# Altium PCB 控制盒基板.PcbDoc (part 2 of 8) (continued)
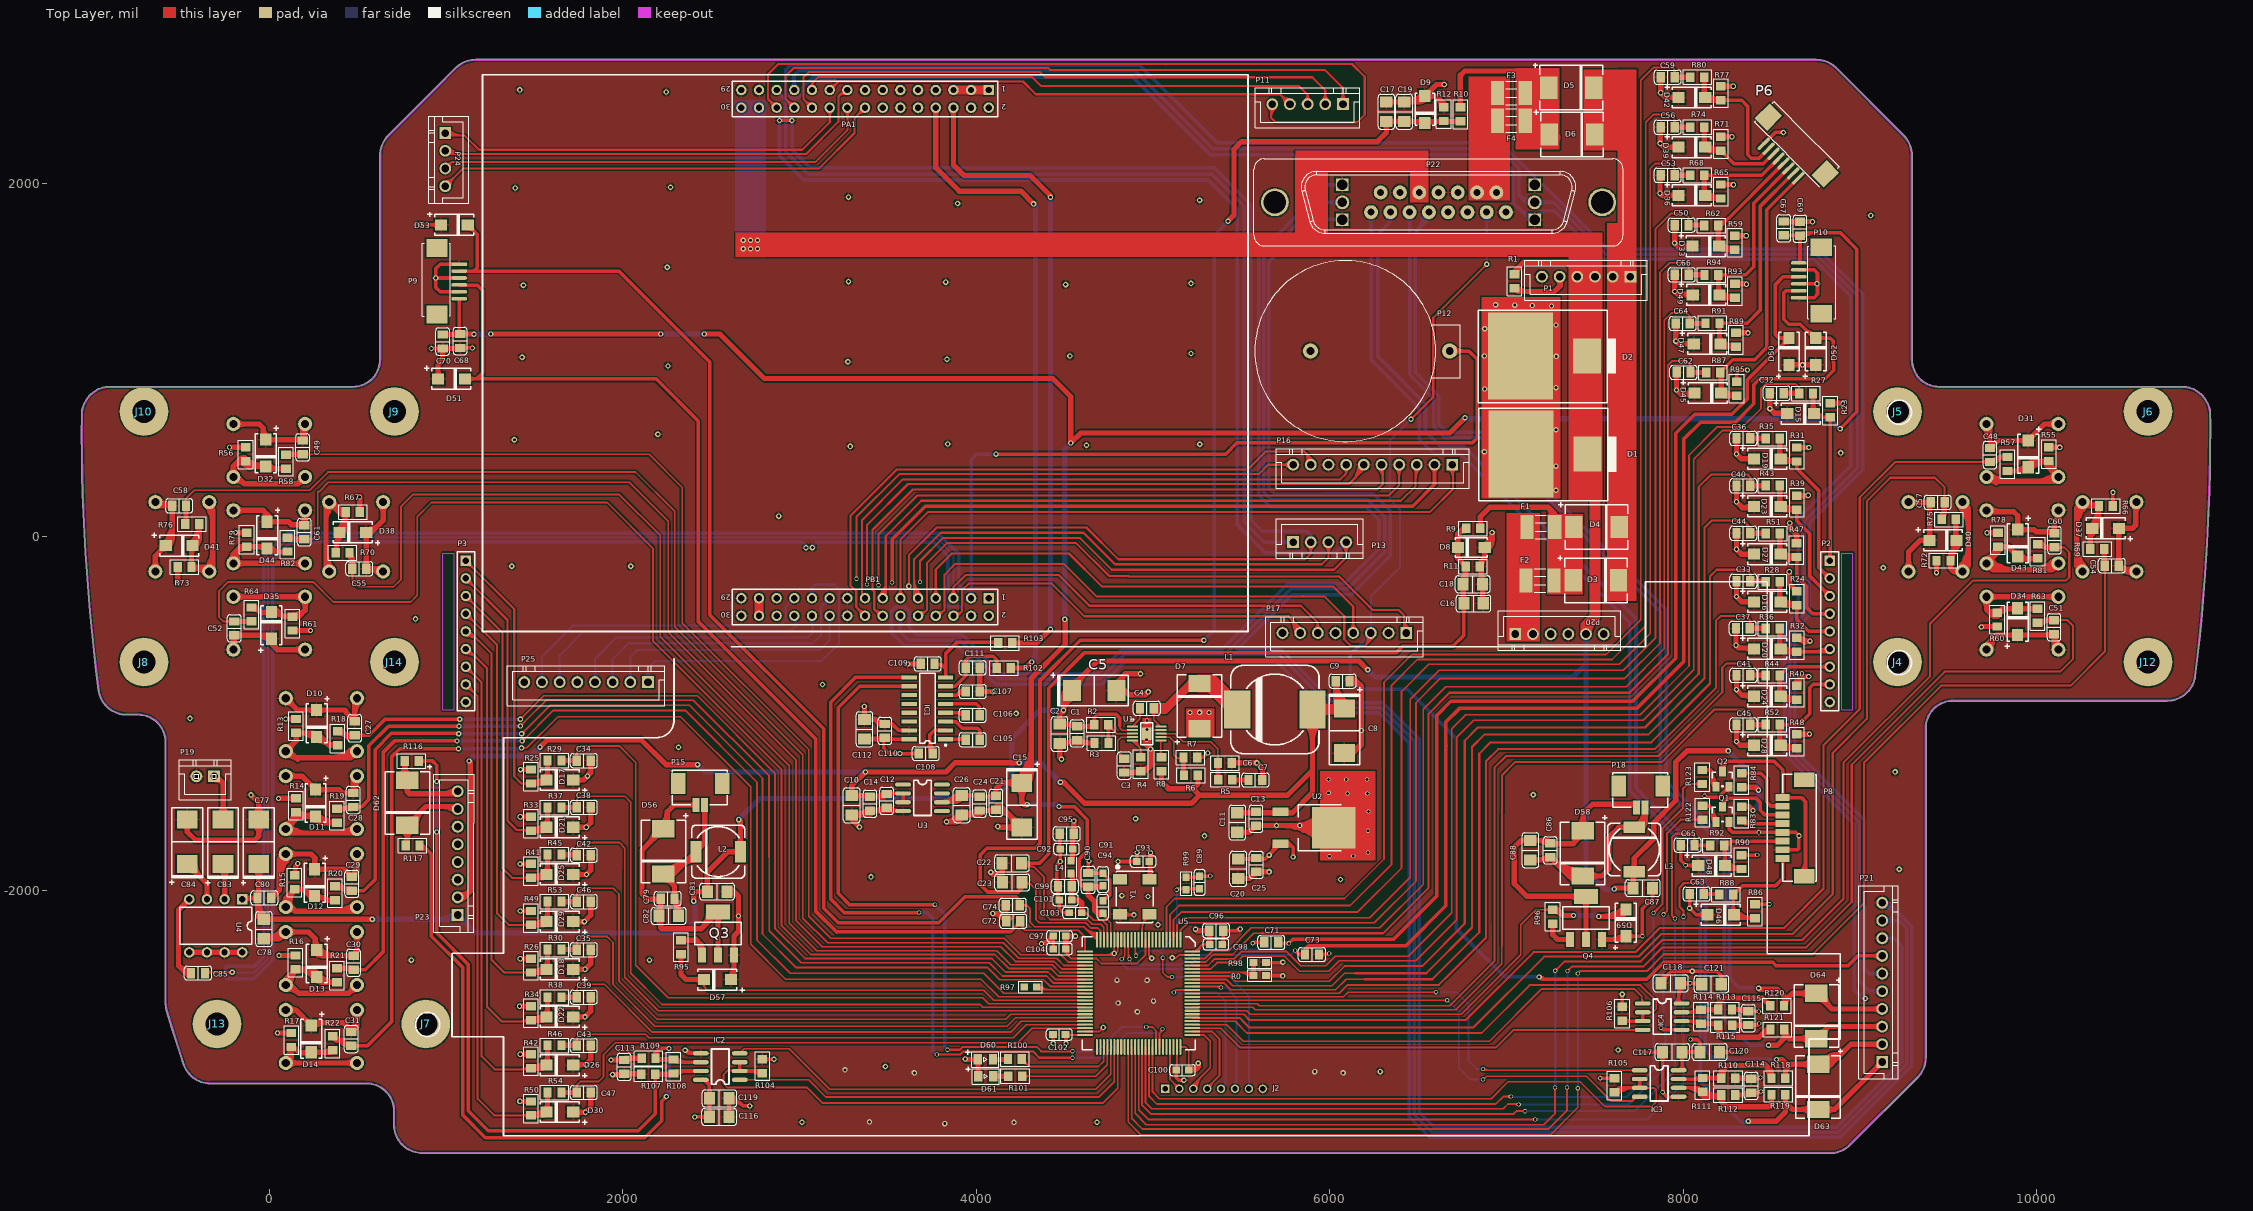
[diagram p0: Top Layer view]
## Nets (pads, with @x,y where several pads share a name; then routed paths per layer and width w, separated by ;. In a path a pad name is that pad's centre, name@x,y a point inside that pad or via, vN(x,y) a via of type N, cw(c..) or ccw(c..) an arc to the next point about the centre after c; other vN are vias at no path point) (continued)
+PWR_S: C1.2 C2.2 C5.1 C77.1 C78.2 C80.2 C81.2 C87.2 D1.2 D2.2 L2.2 L3.2 P1.3 P1.4 P20.5 P22.5 P23.1 PA1.28 PA1.30 R1.1 R2.1 R83.1 R84.1 U1.2 U4.1 | length 20140.9
  Top Layer w8: 4812,-1069 4812,-1080 4825.31,-1093.31 U1.2@4883.29,-1093.31
  Top Layer w20: R2.1@4667.63,-1063 4667.63,-1020.37 4684,-1004 4791,-1004 4812,-1025 4812,-1069 ; 4667.63,-1026.18 ccw(c4700.51,-1026.18) 4677.26,-1049.43 cw(c4700.51,-1026.18) 4667.63,-1026.18 ; 4667.63,-1026.18 cw(c4634.74,-1026.18) 4658,-1049.43 ccw(c4634.74,-1026.18) 4667.63,-1026.18
  Top Layer w30: U4.1@-152.5,-2050.98 -144.51,-2043 C80.2@-66.37,-2043 ; C77.1@-59,-1850.98 -59,-2035.63 C80.2@-66.37,-2043 ; -56.64,-2092.69 cw(c-127.55,-2133.64) C78.2@-49.63,-2158.81 ; v1@585,-2166 v1(582.88,-2163.88) C78.2@-30,-2163.88 -66.37,-2127.51 C80.2@-66.37,-2043 ; v1(2402,-2061) 2402,-2022 2417,-2007 C81.2@2478.88,-2007 2478.88,-1897.12 2595,-1781 L2.2@2665.98,-1781 2665.98,-1609.98 v1(2656,-1600) ; C5.1@4494,-919 v1(4494,-981) 4472,-1003 C2.2@4472,-1059.88 4558.25,-1059.88 C1.2@4571,-1072.63 4658,-1072.63 R2.1@4667.63,-1063 ; C5.1@4512,-869 C5.1@4541.02,-869 ; C5.1@4530.01,-857.99 4686,-702 6165,-702 v1(6215,-752) ; 4534.32,-1064.48 ccw(c4548.17,-1040.49) C1.2@4561.08,-1065 ; C5.1@4539.04,-855.27 ccw(c4511.53,-773.74) 4594.64,-796.01 ; R1.1@7045.63,1492.84 ccw(c7021,1535.49) 7068.57,1522.74 ; R1.1@7046,1485.37 7046,1502 7098,1554 7341,1554 7404,1491 P1.4@7404,1467 ; v1@7615,-1987 C87.2@7716.88,-1987 7716.88,-1901.1 L3.2@7723,-1894.98 7723,-1817 7834,-1706 7834,-1616 7958,-1492 7958,-1275 8022,-1211 v1(8255,-1211) ; R83.1@8331,-1526.63 8373.63,-1526.63 v1(8395,-1548) ; R84.1@8331,-1416.37 8409.37,-1416.37 v1(8426,-1433) ; -59,-1938.33 ccw(c-146.35,-1938.33) -84.58,-1876.57 cw(c-146.35,-1938.33) -59,-1938.33 ; -59,-1938.33 cw(c28.35,-1938.33) -33.42,-1876.57 ccw(c28.35,-1938.33) -59,-1938.33 ; 13.76,-2163.88 ccw(c13.76,-2203.71) -14.4,-2175.55 cw(c13.76,-2203.71) 13.76,-2163.88 ; 13.76,-2163.88 cw(c13.76,-2124.06) -14.4,-2152.22 ccw(c13.76,-2124.06) 13.76,-2163.88 ; 2439.06,-2007 ccw(c2439.06,-1967.18) 2467.22,-1995.34 cw(c2439.06,-1967.18) 2439.06,-2007 ; 2439.06,-2007 cw(c2439.06,-2046.83) 2467.22,-2018.66 ccw(c2439.06,-2046.83) 2439.06,-2007 ; 2478.88,-1963.24 ccw(c2518.71,-1963.24) 2490.55,-1991.4 cw(c2518.71,-1963.24) 2478.88,-1963.24 ; 2478.88,-1963.24 cw(c2439.06,-1963.24) 2467.22,-1991.4 ccw(c2439.06,-1963.24) 2478.88,-1963.24 ; 2626.16,-1781 ccw(c2626.16,-1741.18) 2654.32,-1769.34 cw(c2626.16,-1741.18) 2626.16,-1781 ; 2626.16,-1781 cw(c2626.16,-1820.83) 2654.32,-1792.66 ccw(c2626.16,-1820.83) 2626.16,-1781 ; v1(2656,-1600) cw(c2631.9,-1624.1) 2665.98,-1624.1 ccw(c2631.9,-1624.1) v1(2656,-1600) ; 2665.98,-1711.65 ccw(c2705.81,-1711.65) 2677.65,-1739.81 cw(c2705.81,-1711.65) 2665.98,-1711.65 ; 2665.98,-1711.65 cw(c2626.16,-1711.65) 2654.32,-1739.81 ccw(c2626.16,-1711.65) 2665.98,-1711.65 ; 4472,-1020.06 ccw(c4511.83,-1020.06) 4483.67,-1048.22 cw(c4511.83,-1020.06) 4472,-1020.06 ; 4472,-1020.06 cw(c4432.18,-1020.06) 4460.34,-1048.22 ccw(c4432.18,-1020.06) 4472,-1020.06 ; 4515.76,-1059.88 ccw(c4515.76,-1099.71) 4487.6,-1071.55 cw(c4515.76,-1099.71) 4515.76,-1059.88 ; 4515.76,-1059.88 cw(c4515.76,-1020.06) 4487.6,-1048.22 ccw(c4515.76,-1020.06) 4515.76,-1059.88 ; 7677.06,-1987 ccw(c7677.06,-1947.18) 7705.22,-1975.34 cw(c7677.06,-1947.18) 7677.06,-1987 ; 7677.06,-1987 cw(c7677.06,-2026.83) 7705.22,-1998.66 ccw(c7677.06,-2026.83) 7677.06,-1987 ; 7716.88,-1943.24 ccw(c7756.71,-1943.24) 7728.55,-1971.4 cw(c7756.71,-1943.24) 7716.88,-1943.24 ; 7716.88,-1943.24 cw(c7677.06,-1943.24) 7705.22,-1971.4 ccw(c7677.06,-1943.24) 7716.88,-1943.24 ; 7723,-1855.16 ccw(c7762.83,-1855.16) 7734.67,-1883.32 cw(c7762.83,-1855.16) 7723,-1855.16 ; 7723,-1855.16 cw(c7683.18,-1855.16) 7711.34,-1883.32 ccw(c7683.18,-1855.16) 7723,-1855.16 ; v1(8426,-1433) ccw(c8385.85,-1473.15) 8385.85,-1416.37 cw(c8385.85,-1473.15) v1(8426,-1433) ; U4.1@-142.22,-2061.26 cw(c-98.15,-2105.33) -98.15,-2043 ccw(c-98.15,-2105.33) U4.1@-142.22,-2061.26 ; C80.2@-72.47,-2031 ccw(c-104.98,-1998.49) -59,-1998.49 cw(c-104.98,-1998.49) C80.2@-72.47,-2031 ; -66.37,-2118.18 ccw(c11.76,-2118.18) -43.49,-2173.43 cw(c11.76,-2118.18) -66.37,-2118.18 ; C80.2@-66.37,-2045.76 ccw(c84.19,-2045.76) -22.27,-2152.22 cw(c84.19,-2045.76) C80.2@-66.37,-2045.76 ; -64.88,-2129 cw(c-99.76,-2163.88) -50.43,-2163.88 ccw(c-99.76,-2163.88) -64.88,-2129 ; C78.2@-55.38,-2138.51 ccw(c-33.94,-2117.07) -33.94,-2147.39 cw(c-33.94,-2117.07) C78.2@-55.38,-2138.51 ; v1@4494,-991.12 cw(c4577.86,-991.12) 4552.12,-911.31 ccw(c4577.86,-991.12) v1@4494,-991.12 ; 4494,-949.92 cw(c4564.57,-949.92) 4542.91,-882.76 ccw(c4564.57,-949.92) 4494,-949.92 ; C5.1@4494,-908.73 cw(c4551.29,-908.73) 4533.71,-854.2 ccw(c4551.29,-908.73) C5.1@4494,-908.73 ; 4513.5,-1059.88 cw(c4513.5,-1124.22) 4559,-1078.73 ccw(c4513.5,-1124.22) 4513.5,-1059.88 ; C5.1@4541.02,-824.94 ccw(c4541.02,-771.74) 4578.64,-809.36 cw(c4541.02,-771.74) C5.1@4541.02,-824.94 ; C5.1@4577.2,-861.13 cw(c4698.69,-861.13) 4612.78,-775.22 ccw(c4698.69,-861.13) C5.1@4577.2,-861.13 ; 4633.07,-1072.63 ccw(c4633.07,-1032.38) 4661.53,-1060.84 cw(c4633.07,-1032.38) 4633.07,-1072.63 ; R1.1@7058.56,1485.37 cw(c7129.03,1485.37) 7079.2,1535.2 ccw(c7129.03,1485.37) R1.1@7058.56,1485.37 ; 7353.92,1541.08 cw(c7284.85,1472) 7382.54,1472 ccw(c7284.85,1472) 7353.92,1541.08 ; 7716.88,-1949.58 cw(c7777.6,-1949.58) 7734.67,-1906.65 ccw(c7777.6,-1949.58) 7716.88,-1949.58
  Top Layer w60: P20.5@7450,-550 7450,-501 7501,-450 7501,424.98 D1.2@7457.98,468 ; 7478.39,318.81 cw(c7545.33,357.46) D1.2@7491.76,413.18 ; D1.2@7423.52,413.85 cw(c7236.47,226.8) 7501,226.8 ccw(c7236.47,226.8) D1.2@7423.52,413.85 ; P20.5@7453.46,-550 cw(c7580.12,-550) 7490.56,-460.44 ccw(c7580.12,-550) P20.5@7453.46,-550 ; D1.2@7465.95,456.28 cw(c7381.32,371.65) 7501,371.65 ccw(c7381.32,371.65) D1.2@7465.95,456.28
  Bottom Layer w30: v1(582.88,-2163.88) 1042.12,-2163.88 P23.1@1066,-2140 1168,-2242 2344,-2242 2411,-2175 2411,-2070 v1(2402,-2061) ; 1005.33,-2154.44 cw(c1029.77,-2196.77) P23.1@1056.07,-2155.56 ; v1(2656,-1600) 2775,-1481 4102,-1481 4201,-1382 4201,-1140 4360,-981 v1(4494,-981) ; v1(6215,-752) 6256,-793 7376,-793 7450,-719 ; P20.5@7450,-550 7450,-719 ; v1@7607,-1995 7561,-1995 7450,-1884 7450,-719 ; v1(8255,-1211) 8426,-1382 v1(8426,-1433) 8426,-1517 v1(8395,-1548) ; P23.1@1097.52,-2171.52 ccw(c1066,-2203.04) 1066,-2158.46 cw(c1066,-2203.04) P23.1@1097.52,-2171.52 ; P23.1@1097.52,-2171.52 cw(c1129.04,-2140) 1084.47,-2140 ccw(c1129.04,-2140) P23.1@1097.52,-2171.52 ; v1(2402,-2061) cw(c2380.27,-2082.73) 2411,-2082.73 ccw(c2380.27,-2082.73) v1(2402,-2061) ; 7450,-594.58 ccw(c7405.42,-594.58) 7436.94,-563.06 cw(c7405.42,-594.58) 7450,-594.58 ; 7450,-594.58 cw(c7494.58,-594.58) 7463.06,-563.06 ccw(c7494.58,-594.58) 7450,-594.58 ; 963.77,-2163.88 ccw(c963.77,-2037.77) 1052.94,-2126.94 cw(c963.77,-2037.77) 963.77,-2163.88 ; P23.1@1036.19,-2163.88 ccw(c1036.19,-2110.19) 1074.16,-2148.16 cw(c1036.19,-2110.19) P23.1@1036.19,-2163.88
  other v1: 7610,-1992 2682,1630 2722.5,1630 2763,1630 2682,1678 2722.5,1678 2763,1678
A_LX: C71.1 D50.2 P10.4 U5.16 | length 8025.5
  Top Layer w10: U5.16@4859.94,-2279.85 4859.94,-2380.94 v2(4868,-2389) ; v2@4862.39,-2384.81 ccw(c4849.78,-2375.4) 4863.41,-2367.53 ; 4859.94,-2376.8 ccw(c4880.2,-2376.8) 4865.88,-2391.12 cw(c4880.2,-2376.8) 4859.94,-2376.8 ; 4859.94,-2352.65 ccw(c4904.35,-2352.65) 4872.95,-2384.05 cw(c4904.35,-2352.65) 4859.94,-2352.65
  Top Layer w20: C71.1@5709.37,-2295 5714.37,-2300 v2(5769,-2300) 5792,-2277 6361,-2277 6607,-2031 6607,-1009 6685,-931 7713,-931 7958,-686 7958,586 8065,693 8274.01,693 8363.5,782.5 8363.5,889.61 D50.2@8598.34,1124.45 8597.79,1125 8542,1125 8522,1145 8522,1428 8564.87,1470.87 P10.4@8654.01,1470.87 ; C71.1@5719,-2310.54 cw(c5744.44,-2335.98) 5744.44,-2300 ccw(c5744.44,-2335.98) C71.1@5719,-2310.54 ; C71.1@5719,-2291.27 ccw(c5740.07,-2270.21) 5740.07,-2300 cw(c5740.07,-2270.21) C71.1@5719,-2291.27 ; 8545.11,1125 cw(c8545.11,1071.22) 8583.14,1109.25 ccw(c8545.11,1071.22) 8545.11,1125 ; 8547.77,1125 ccw(c8547.77,1175.01) 8583.14,1139.65 cw(c8547.77,1175.01) 8547.77,1125 ; 8556.6,1082.71 cw(c8598.34,1040.98) 8598.34,1100 ccw(c8598.34,1040.98) 8556.6,1082.71 ; 8563.73,1089.84 ccw(c8532.08,1121.5) 8576.84,1121.5 cw(c8532.08,1121.5) 8563.73,1089.84
  Bottom Layer w12: v2@4862.11,-2387.85 ccw(c4879.81,-2391.31) 4867.06,-2404.06 ; v2@4862.99,-2385.69 ccw(c4873.54,-2392.66) 4864.6,-2401.6 ; v2@4863.76,-2393.24 cw(c4853.51,-2403.49) 4868,-2403.49 cw(c4882.49,-2403.49) v2@4872.24,-2393.24 ; v2(4868,-2389) 4868,-2405 4883,-2420 ; v2@4873.01,-2392.31 ccw(c4886.07,-2400.93) 4875,-2412 ; v2@4873.89,-2390.15 ccw(c4906.48,-2396.52) 4883,-2420 ; v2(5769,-2300) 5734,-2335 5248,-2335 5163,-2420 4883,-2420 ; 5758.76,-2310.24 ccw(c5748.51,-2300) 5763,-2300 cw(c5748.51,-2300) 5758.76,-2310.24 ; 5758.76,-2310.24 cw(c5769,-2320.49) 5769,-2306 ccw(c5769,-2320.49) 5758.76,-2310.24
A_LY: C73.1 D52.2 P10.2 U5.17 | length 8418.8
  Top Layer w10: v2(4823,-2389) 4840.26,-2371.74 U5.17@4840.26,-2279.85 ; v2@4823,-2382 ccw(c4823,-2365.1) 4834.95,-2377.05 ccw(c4846.9,-2389) v2@4830,-2389
  Top Layer w20: v2(5805,-2341) 5827,-2363 C73.1@5860.63,-2363 5866,-2357.63 5866,-2328 ; 6658,-1181 6657,-1180 ; P10.2@8654.01,1392.13 8580.13,1392.13 8568,1380 8568,1231 8597,1202 8662,1202 8739.55,1124.45 D52.2@8750.34,1124.45 8832.55,1124.45 8849,1108 8849,992 8852,989 8852,943 8803,894 8434,894 8400,860 8400,753 8296,649 8099,649 8002,552 8002,-706 7737,-971 6734,-971 6657,-1048 6657,-1180 ; 8712.18,1159.12 cw(c8697.88,1105.75) D52.2@8748.96,1126.83 ; 5827.74,-2363 ccw(c5827.74,-2330.11) 5851,-2353.37 cw(c5827.74,-2330.11) 5827.74,-2363 ; 5827.74,-2363 cw(c5827.74,-2395.89) 5851,-2372.63 ccw(c5827.74,-2395.89) 5827.74,-2363 ; 5866,-2328 cw(c5847.84,-2328) 5855.15,-2344.62 ccw(c5847.84,-2328) 5866,-2328 ; 5866,-2328 5881,-2313 ; 5881,-2313 ccw(c5906.28,-2338.28) 5873.22,-2351.9 cw(c5906.28,-2338.28) 5881,-2313 ; 5881,-2313 6432,-2313 6657,-2088 6657,-1180 ; 8802.23,1124.45 ccw(c8802.23,1072.55) 8765.54,1109.25 cw(c8802.23,1072.55) 8802.23,1124.45 ; 8802.23,1124.45 cw(c8802.23,1176.34) 8765.54,1139.65 ccw(c8802.23,1176.34) 8802.23,1124.45 ; 8690.19,1173.81 ccw(c8750.34,1233.96) 8750.34,1148.9 cw(c8750.34,1233.96) 8690.19,1173.81
  Bottom Layer w12: v2@4818.76,-2393.24 cw(c4808.51,-2403.49) 4823,-2403.49 cw(c4837.49,-2403.49) v2@4827.24,-2393.24 ; v2(4823,-2389) 4823,-2413 4855,-2445 5190,-2445 5269,-2366 5780,-2366 v2(5805,-2341) ; v2@5799,-2341 cw(c5784.51,-2341) 5794.76,-2351.24 cw(c5805,-2361.49) v2@5805,-2347
A_RX: C72.1 D51.2 P9.4 U5.26 | length 7240.5
  Top Layer w10: C72.1@4249.37,-2175 4264,-2189.63 4264,-2216 4274.31,-2226.31 4576.31,-2226.31 4615.85,-2265.85 U5.26@4615.85,-2346.78 ; C72.1@4246.89,-2199.36 cw(c4244.26,-2218.93) 4264,-2218.93 ccw(c4244.26,-2218.93) C72.1@4246.89,-2199.36 ; C72.1@4248.22,-2189.45 cw(c4245.8,-2207.49) 4264,-2207.49 ccw(c4245.8,-2207.49) C72.1@4248.22,-2189.45
  Top Layer w20: P9.4@1074.99,1425.13 1076.13,1424 1178,1424 1208,1394 1208,929 1173,894 ; D51.2@1106.79,894 1173,894 ; C72.1@4249.37,-2175.63 C72.1@4249.37,-2175 4249.37,-2178.68 4192.53,-2235.53 3214.47,-2235.53 3212,-2238 3091,-2117 3091,-1142 2428,-479 2428,655 2189,894 1173,894 ; 1161.64,894 ccw(c1161.64,842.1) 1124.94,878.8 cw(c1161.64,842.1) 1161.64,894 ; 1161.64,894 cw(c1161.64,945.9) 1124.94,909.2 ccw(c1161.64,945.9) 1161.64,894 ; 4222.32,-2205.73 cw(c4249.37,-2232.78) 4249.37,-2194.53 ccw(c4249.37,-2232.78) 4222.32,-2205.73 ; C72.1@4227.69,-2200.37 ccw(c4208.23,-2180.91) 4235.75,-2180.91 cw(c4208.23,-2180.91) C72.1@4227.69,-2200.37
A_RY: C74.1 D53.2 P9.2 U5.25 | length 7611.2
  Top Layer w10: C74.1@4246.37,-2085 4285,-2085 ; 4614.5,-2211.57 ccw(c4682.78,-2143.28) U5.25@4682.78,-2239.85 ; 4631.57,-2228.64 ccw(c4682.78,-2177.42) U5.25@4682.78,-2249.85 ; 4648.64,-2245.71 ccw(c4682.78,-2211.57) U5.25@4682.78,-2259.85 ; 4665.71,-2262.78 ccw(c4682.78,-2245.71) U5.25@4682.78,-2269.85 ; U5.25@4682.78,-2279.85 4608.93,-2206 4330,-2206 4305,-2181 4305,-2105 4285,-2085 ; 4285,-2085 ccw(c4285,-2115.75) 4260.94,-2096.6 cw(c4285,-2115.75) 4285,-2085 ; 4285,-2085 cw(c4285,-2054.25) 4260.94,-2073.4 ccw(c4285,-2054.25) 4285,-2085
  Top Layer w20: P9.2@1074.99,1503.87 1157.87,1503.87 ; D53.2@1122.79,1765 1176,1711.79 1176,1522 1157.87,1503.87 ; C74.1@4233.85,-2073.74 ccw(c4203.54,-2060.78) 4226.84,-2037.47 ; 4244.26,-2054.89 cw(c4223.24,-2075.91) C74.1@4252.69,-2079.96 ; C74.1@4246.37,-2085 4246.37,-2057 4226.84,-2037.47 ; 1157.87,1503.87 1978.13,1503.87 2493,989 2493,-442 3137,-1086 3137,-2102 3219,-2184 3789,-2184 3935.53,-2037.47 4226.84,-2037.47 ; D53.2@1125.74,1743.5 cw(c1125.74,1698.74) 1157.39,1730.39 ccw(c1125.74,1698.74) D53.2@1125.74,1743.5 ; D53.2@1147.24,1765 ccw(c1206.26,1765) 1164.52,1723.26 cw(c1206.26,1765) D53.2@1147.24,1765
AUDIO_OUT_L: C85.1 P17.6 PB1.5 | length 10048.4
  Top Layer w12: C85.1@-363.63,-2468 -359.63,-2464 v1(-209,-2464) ; PB1.5@3871,-347 3871,-286 3942,-215 4466,-215 4641,-390 5837,-390 5931,-484 ; P17.6@5933,-544 5931,-542 5931,-484 ; -230.73,-2464 ccw(c-230.73,-2442.27) -215.36,-2457.64 cw(c-230.73,-2442.27) -230.73,-2464 ; -230.73,-2464 cw(c-230.73,-2485.73) -215.36,-2470.36 ccw(c-230.73,-2485.73) -230.73,-2464 ; 3871,-290.2 ccw(c3927.8,-290.2) 3887.64,-330.36 cw(c3927.8,-290.2) 3871,-290.2 ; 3871,-290.2 cw(c3814.2,-290.2) 3854.36,-330.36 ccw(c3814.2,-290.2) 3871,-290.2 ; 5931,-484 ccw(c5979.35,-484) 5949.79,-522.27 cw(c5979.35,-484) 5931,-484 ; 5931,-484 cw(c5875.06,-484) 5913.92,-524.24 ccw(c5875.06,-484) 5931,-484 ; C85.1@-351.17,-2474.56 cw(c-325.69,-2500.04) -325.69,-2464 ccw(c-325.69,-2500.04) C85.1@-351.17,-2474.56 ; C85.1@-351.17,-2449.63 ccw(c-316.49,-2414.95) -316.49,-2464 cw(c-316.49,-2414.95) C85.1@-351.17,-2449.63 ; 5931,-508.44 ccw(c5960.47,-508.44) 5942.45,-531.76 cw(c5960.47,-508.44) 5931,-508.44
  Bottom Layer w12: v1(-209,-2464) -85,-2464 -6,-2385 -6,-124 115,-3 3773,-3 3871,-101 PB1.5@3871,-347 ; -187.27,-2464 ccw(c-187.27,-2485.73) -202.64,-2470.36 cw(c-187.27,-2485.73) -187.27,-2464 ; -187.27,-2464 cw(c-187.27,-2442.27) -202.64,-2457.64 ccw(c-187.27,-2442.27) -187.27,-2464 ; 3871,-290.2 ccw(c3927.8,-290.2) 3887.64,-330.36 cw(c3927.8,-290.2) 3871,-290.2 ; 3871,-290.2 cw(c3814.2,-290.2) 3854.36,-330.36 ccw(c3814.2,-290.2) 3871,-290.2
AUDIO_OUT_R: P17.7 PB1.6 | length 3272
  Top Layer w12: PB1.6@3871,-447 3895,-447 3919,-423 ; 5764.9,-445.9 cw(c5666.8,-544) P17.7@5805.53,-544 ; 5768.01,-449.01 cw(c5677.26,-539.75) P17.7@5805.55,-543.25 ; 5785.39,-466.39 cw(c5707.77,-544) P17.7@5817.53,-544 ; 5787.73,-468.73 cw(c5715.65,-540.8) P17.7@5817.54,-543.58 ; 5789.9,-483.76 ccw(c5878.08,-460.87) P17.7@5834.65,-540.95 ; 5796.83,-510.48 ccw(c5860.07,-494.07) P17.7@5828.93,-551.5 ; 5802.48,-487.83 ccw(c5863.6,-471.45) P17.7@5839.01,-529.75 ; 5805.87,-486.87 cw(c5748.74,-544) P17.7@5829.53,-544 ; 5807.45,-488.45 cw(c5754.05,-541.85) P17.7@5829.54,-543.91 ; 5808.83,-511.53 ccw(c5851.52,-500.09) P17.7@5834.35,-540.81 ; P17.7@5809.21,-530.27 ccw(c5795.96,-522.61) 5810.74,-518.65 ; P17.7@5811.32,-527.14 ccw(c5784.97,-506.65) 5817.21,-498.01 ccw(c5842.45,-491.24) P17.7@5837.84,-516.97 ; 5826.36,-507.36 cw(c5789.71,-544) P17.7@5841.53,-544 ; 5827.17,-508.17 cw(c5792.44,-542.89) P17.7@5841.53,-544.23 ; P17.7@5833,-544 5833,-514 5768,-449 5181,-449 5172,-449 4612,-449 4428,-265 3957,-265 3919,-303 3919,-423 ; 3919,-423 cw(c3898.69,-402.69) 3883.47,-427.05 ccw(c3898.69,-402.69) 3919,-423 ; PB1.6@3877.11,-437.22 ccw(c3890.49,-415.82) 3908.33,-433.67 cw(c3890.49,-415.82) PB1.6@3877.11,-437.22
AUX: P11.5 PA1.26 | length 5044.5
  Top Layer w12: 2839.73,2456.9 ccw(c2879.08,2467.45) PA1.26@2870.91,2427.54 ; 2842.1,2459.27 cw(c2831.55,2419.92) PA1.26@2871.46,2428.09 ; PA1.26@2871,2428 2822,2477 2822,2618 2879,2675 5072,2675 ; 5073,2674 5072,2675 ; P11.5@5675,2448 5668,2441 5668,2371 5693,2346 6155,2346 6198,2389 6198,2603 6126,2675 5072,2675 ; 2830.84,2468.16 ccw(c2871,2508.33) 2871,2451.53 cw(c2871,2508.33) 2830.84,2468.16 ; 2830.84,2468.16 cw(c2790.67,2428) 2847.47,2428 ccw(c2790.67,2428) 2830.84,2468.16 ; P11.5@5655.58,2428.58 cw(c5625.6,2398.6) 5668,2398.6 ccw(c5625.6,2398.6) P11.5@5655.58,2428.58 ; 5668,2370.69 cw(c5744.48,2370.69) 5693.36,2427.57 ccw(c5744.48,2370.69) 5668,2370.69 ; 5668,2397.6 cw(c5720.29,2397.6) 5685.34,2436.5 ccw(c5720.29,2397.6) 5668,2397.6
BAT1_ADC: C16.2 C18.2 C22.2 D8.2 R9.2 R11.1 U5.23 | length 6534.3
  Top Layer w10: C22.2@4238,-1866 4326,-1866 ; 4552,-2166 4553,-2165 ; U5.23@4722.15,-2279.85 4722.15,-2209.15 4705,-2192 4656,-2192 4629,-2165 4553,-2165 ; 4326,-1866 cw(c4326,-1814.64) 4280.56,-1838.58 ccw(c4326,-1814.64) 4326,-1866 ; 4326,-1866 4383,-1923 4383,-2130 4418,-2165 4553,-2165 ; C22.2@4262.86,-1847.91 ccw(c4292.85,-1832.11) 4292.85,-1866 cw(c4292.85,-1832.11) C22.2@4262.86,-1847.91 ; C22.2@4271.71,-1843.25 ccw(c4309.42,-1823.37) 4309.42,-1866 cw(c4309.42,-1823.37) C22.2@4271.71,-1843.25
  Top Layer w20: C22.2@4257.12,-1847 4358,-1847 4411,-1794 4411,-856 4610,-657 6375,-657 6412,-620 6697,-620 6758.88,-558.12 C16.2@6758.88,-377 ; 4309.01,-1847 ccw(c4309.01,-1898.9) 4272.32,-1862.2 cw(c4309.01,-1898.9) 4309.01,-1847 ; 4309.01,-1847 cw(c4309.01,-1795.1) 4272.32,-1831.8 ccw(c4309.01,-1795.1) 4309.01,-1847 ; 6758.88,-432.83 ccw(c6706.99,-432.83) 6743.68,-396.14 cw(c6706.99,-432.83) 6758.88,-432.83 ; 6758.88,-432.83 cw(c6810.78,-432.83) 6774.08,-396.14 ccw(c6810.78,-432.83) 6758.88,-432.83
  Top Layer w30: 6722.8,14.8 cw(c6772.63,-35.03) R9.2@6772.63,35.44 ; 6735.26,25.43 ccw(c6722.51,73) R9.2@6765.16,48.37 ; C16.2@6758.88,-377 6754.88,-373 C18.2@6754.88,-268 6770.63,-252.25 R11.1@6770.63,-168 6725.21,-122.58 6725.21,17.21 ; 6762.84,-218.41 ccw(c6787.88,-232.87) C18.2@6766.87,-252.73 ; R11.1@6763.16,-176.25 cw(c6734.21,-192.97) 6766.5,-201.62 ; R9.2@6772.24,35.45 ccw(c6769.4,-26.97) 6725.21,17.21 ; R9.2@6772.63,48 6756,48 6725.21,17.21 ; 6725.21,-99.82 ccw(c6685.39,-99.82) 6713.55,-71.66 cw(c6685.39,-99.82) 6725.21,-99.82 ; 6725.21,-99.82 cw(c6765.04,-99.82) 6736.88,-71.66 ccw(c6765.04,-99.82) 6725.21,-99.82 ; 6725.21,-20.17 ccw(c6765.04,-20.17) 6736.88,-48.33 cw(c6765.04,-20.17) 6725.21,-20.17 ; 6725.21,-20.17 cw(c6685.39,-20.17) 6713.55,-48.33 ccw(c6685.39,-20.17) 6725.21,-20.17 ; 6754.88,-311.76 ccw(c6715.06,-311.76) 6743.22,-283.6 cw(c6715.06,-311.76) 6754.88,-311.76 ; 6754.88,-311.76 cw(c6794.71,-311.76) 6766.55,-283.6 ccw(c6794.71,-311.76) 6754.88,-311.76 ; C18.2@6743.22,-252.4 ccw(c6677.04,-186.22) 6770.63,-186.22 cw(c6677.04,-186.22) C18.2@6743.22,-252.4 ; R11.1@6749.19,-146.56 ccw(c6770.63,-125.12) 6770.63,-155.44 cw(c6770.63,-125.12) R11.1@6749.19,-146.56 ; 6754.88,-323.58 ccw(c6808.36,-323.58) 6770.55,-361.4 cw(c6808.36,-323.58) 6754.88,-323.58
BAT1_FIN: D3.1 D4.1 F1.2 F2.2 R9.1 | length 900.6
  Top Layer w30: R9.1@6851.37,48 6851.37,111.37 6908,168 7235,168 ; F1.2@7252.47,94.52 ccw(c7184.08,117.08) 7235,168 ; 7260.63,142.37 cw(c7210.23,91.98) F1.2@7281.32,86.96 ; 7269.44,133.56 cw(c7235.88,99.99) F1.2@7280.96,85.12 ; F1.2@7273.74,56 7273.74,129.26 ; 7235,168 7273.74,129.26 ; 7273.74,129.26 ccw(c7301.47,129.26) 7286.13,106.16 cw(c7301.47,129.26) 7273.74,129.26 ; 7273.74,129.26 cw(c7246.02,129.26) 7261.35,106.16 ccw(c7246.02,129.26) 7273.74,129.26
BAT1_IN: F1.1 F2.1 P20.1 P20.2
BAT2_ADC: C17.2 C19.2 C23.2 D9.2 R10.2 R12.1 U5.24 | length 8703.2
  Top Layer w10: C23.2@4259.12,-1955 4265.12,-1961 4303,-1961 ; U5.24@4702.46,-2279.85 4702.46,-2227.46 4688,-2213 4649,-2213 4620,-2184 4356,-2184 4338,-2166 4338,-1996 4303,-1961 ; 4303,-1961 ccw(c4303,-1986.12) 4281.64,-1972.89 cw(c4303,-1986.12) 4303,-1961 ; 4303,-1961 cw(c4303,-1939.51) 4283.35,-1948.21 ccw(c4303,-1939.51) 4303,-1961
  Top Layer w20: C23.2@4241.28,-1970.92 cw(c4215.98,-1987.92) 4237.53,-2009.47 ; 4254.72,-1992.28 ccw(c4236.54,-1974.11) C23.2@4257.88,-1959.77 ; C23.2@4259.12,-1955 4259.12,-1987.88 4237.53,-2009.47 ; v1@5288,-586 4588,-586 4361,-813 4361,-1735 4334,-1762 4060,-1762 4024,-1798 4024,-1969 4064.47,-2009.47 4237.53,-2009.47
  Top Layer w30: v1(5425,1786) 5459,1820 5459,2193 5502,2236 6269,2236 6321,2288 C17.2@6321,2350.07 6740.03,2350.07 R10.2@6742,2348.1 ; 6321,2310.25 ccw(c6281.18,2310.25) 6309.34,2338.41 cw(c6281.18,2310.25) 6321,2310.25 ; 6321,2310.25 cw(c6360.83,2310.25) 6332.67,2338.41 ccw(c6360.83,2310.25) 6321,2310.25 ; 6364.76,2350.07 ccw(c6364.76,2310.25) 6336.6,2338.41 cw(c6364.76,2310.25) 6364.76,2350.07 ; 6364.76,2350.07 cw(c6364.76,2389.9) 6336.6,2361.74 ccw(c6364.76,2389.9) 6364.76,2350.07 ; 6378.24,2350.07 ccw(c6378.24,2389.9) 6406.4,2361.74 cw(c6378.24,2389.9) 6378.24,2350.07 ; 6378.24,2350.07 cw(c6378.24,2310.25) 6406.4,2338.41 ccw(c6378.24,2310.25) 6378.24,2350.07 ; 6465.76,2350.07 ccw(c6465.76,2310.25) 6437.6,2338.41 cw(c6465.76,2310.25) 6465.76,2350.07 ; 6465.76,2350.07 cw(c6465.76,2389.9) 6437.6,2361.74 ccw(c6465.76,2389.9) 6465.76,2350.07 ; 6486.33,2350.07 cw(c6486.33,2293.5) 6526.34,2333.5 ccw(c6486.33,2293.5) 6486.33,2350.07 ; D9.2@6549.67,2333.5 cw(c6589.67,2293.5) 6589.67,2350.07 ccw(c6589.67,2293.5) D9.2@6549.67,2333.5 ; 6614.07,2350.07 ccw(c6614.07,2379.62) 6634.97,2358.73 cw(c6614.07,2379.62) 6614.07,2350.07 ; R12.1@6655.03,2358.73 ccw(c6675.93,2379.62) 6675.93,2350.07 cw(c6675.93,2379.62) R12.1@6655.03,2358.73 ; 6711.49,2350.07 ccw(c6711.49,2376.21) 6729.97,2357.73 cw(c6711.49,2376.21) 6711.49,2350.07
  Bottom Layer w20: v1(5288,-585) 5346,-527 5346,1707 v1(5425,1786)
BAT2_FIN: D5.1 D6.1 F3.2 F4.2 R10.1 | length 2351.5
  Top Layer w30: R10.1@6740,2430.37 6739,2431.37 6739,2611 6764,2636 7070,2636 7106.74,2599.26 F3.2@7106.74,2511 ; 7106.74,2596.58 ccw(c7160.82,2596.58) 7122.58,2558.34 cw(c7160.82,2596.58) 7106.74,2596.58 ; 7106.74,2596.58 cw(c7052.66,2596.58) 7090.9,2558.34 ccw(c7052.66,2596.58) 7106.74,2596.58
  Top Layer w50: F4.2@7106.74,2355 F3.2@7106.74,2511
  Top Layer w80: F4.2@7105.59,2325.83 cw(c7149.19,2237.35) D6.1@7218.95,2307.1 ; F4.2@7106.29,2326.06 cw(c7133.35,2173.31) 7243.04,2283 7171.05,2355 ; F4.2@7106.74,2326.1 cw(c7106.74,2101.09) D6.1@7265.85,2260.2 ; F3.2@7106.74,2511 7200.05,2511 D5.1@7239.05,2550 ; 7155.92,2511 ccw(c7155.92,2619.35) D5.1@7232.53,2542.73 ; 7177.65,2511 ccw(c7177.65,2588.62) D5.1@7232.53,2533.73 ; 7184.71,2307.04 ccw(c7221.58,2370.91) D6.1@7240.66,2299.68 ; D6.1@7233.85,2296.18 ccw(c7171.05,2292.06) 7171.05,2355 ; D6.1@7235.35,2285.71 ccw(c7106.75,2201) F4.2@7106.74,2355 ; D6.1@7235.72,2291.19 ccw(c7106.75,2192.75) F4.2@7106.74,2355 ; F4.2@7106.74,2355 7171.05,2355
BAT2_IN: F3.1 F4.1 P22.1 P22.2 | length 156
  Top Layer w50: F4.1@6949.26,2355 F3.1@6949.26,2511
BAT_IN: D3.2 D4.2 D5.2 D6.2 P1.1 P1.2 | length 268.7
  Top Layer w80: D5.2@7494.95,2550 7498.95,2546 D6.2@7498.95,2283
CAN1H: 
CAN1L: 
CLOCK: U5.12 Y1.3 | length 271.7
  Top Layer w10: U5.12@4938.68,-2279.85 4938.68,-2217.84 cw(c5038.68,-2217.84) 4967.97,-2147.13 Y1.3@4979.68,-2135.42 ; 4943.32,-2189.83 ccw(c4897.23,-2163.23) Y1.3@4946.93,-2144.2 ; 4949.02,-2179.96 cw(c4987.76,-2202.33) Y1.3@4976.18,-2159.12 ; 4953.81,-2171.66 ccw(c4922.47,-2153.56) Y1.3@4956.27,-2140.62
CVBS1: P21.5 P22.16 PA1.23 | length 11950.2
  Bottom Layer w20: PA1.23@2971,2528 2969,2530 2969,2610 2995,2636 4899,2636 5339,2196 6960,2196 7070,2086 7070,1934 ; 7090.61,1913.39 ccw(c7132.15,1954.92) P22.16@7155.96,1901.23 ; 7111.22,1892.78 ccw(c7144.81,1926.37) P22.16@7164.06,1882.94 ; P22.16@7147.85,1919.51 cw(c7119.48,1983.48) 7070,1934 ; P21.5@9126,-2571 9123,-2568 9053,-2568 8997,-2512 8997,-1614 8602,-1219 8602,-516 8684,-434 8684,88 8987,391 8987,1363 8752,1598 7562,1598 7267.34,1892.66 P22.16@7159.75,1892.66 7111.34,1892.66 ; 7070,1934 7111.34,1892.66 ; 7111.34,1892.66 ccw(c7111.34,1917.88) 7133.71,1906.23 cw(c7111.34,1917.88) 7111.34,1892.66 ; 7111.34,1892.66 cw(c7111.34,1867.44) 7133.71,1879.09 ccw(c7111.34,1867.44) 7111.34,1892.66 ; 7230.66,1892.66 ccw(c7230.66,1821.76) 7180.52,1871.89 cw(c7230.66,1821.76) 7230.66,1892.66 ; 7230.66,1892.66 cw(c7230.66,1963.57) 7180.52,1913.43 ccw(c7230.66,1963.57) 7230.66,1892.66 ; PA1.23@2957.19,2541.81 ccw(c2928.69,2570.31) 2969,2570.31 cw(c2928.69,2570.31) PA1.23@2957.19,2541.81 ; 2969,2579.97 ccw(c3022.97,2579.97) 2984.81,2541.81 cw(c3022.97,2579.97) 2969,2579.97 ; 9062.11,-2568 cw(c9062.11,-2634.89) 9109.41,-2587.59 ccw(c9062.11,-2634.89) 9062.11,-2568 ; 9076.6,-2568 ccw(c9076.6,-2521.6) 9109.41,-2554.41 cw(c9076.6,-2521.6) 9076.6,-2568
CVBS2: P13.1 PA1.25 | length 5380.2
  Bottom Layer w20: PA1.25@2871,2528 2871,2521.19 2922,2470.19 2922,2179 3049,2052 5334,2052 5516,1870 5516,84 5630,-30 P13.1@5792.87,-30 ; 5736.22,-30 ccw(c5736.22,26.65) 5776.28,-13.41 cw(c5736.22,26.65) 5736.22,-30 ; 5736.22,-30 cw(c5736.22,-86.65) 5776.28,-46.59 ccw(c5736.22,-86.65) 5736.22,-30
GND: R97.2
GPT9_PWM_EVT: PB1.1
H_RST: PB1.4
I2C2_SCL: PA1.13
I2C2_SDA: PA1.14
JNRST: J2.6 U5.90 | length 1140.5
  Top Layer w10: U5.90@5222.15,-2543.63 5378.63,-2543.63 v2(5385,-2550) ; 5366.11,-2546.9 ccw(c5371.88,-2536.91) v2@5380.04,-2545.06 ; 5352.72,-2543.63 cw(c5352.72,-2582.28) 5380.05,-2554.95 ccw(c5352.72,-2582.28) 5352.72,-2543.63
  Bottom Layer w10: v2(5385,-2550) 5415,-2550 5472,-2607 5472,-3115.11 J2.6@5464.11,-3123 ; 5401.9,-2550 ccw(c5401.9,-2566.9) 5389.95,-2554.95 cw(c5401.9,-2566.9) 5401.9,-2550 ; 5401.9,-2550 cw(c5401.9,-2533.1) 5389.95,-2545.05 ccw(c5401.9,-2533.1) 5401.9,-2550 ; J2.6@5450.94,-3109.83 ccw(c5400.1,-3058.99) 5472,-3058.99 cw(c5400.1,-3058.99) J2.6@5450.94,-3109.83 ; J2.6@5458.01,-3116.9 ccw(c5424.25,-3083.14) 5472,-3083.14 cw(c5424.25,-3083.14) J2.6@5458.01,-3116.9 ; 5472,-3097.09 ccw(c5490.02,-3097.09) 5477.28,-3109.83 cw(c5490.02,-3097.09) 5472,-3097.09
JTCK: J2.3 U5.76 | length 952.6
  Top Layer w10: U5.76@5222.15,-2819.22 5289.22,-2819.22 5324,-2854 5324,-3004 5229.89,-3098.11 ; J2.3@5224.43,-3115.1 ccw(c5209.81,-3081.67) 5245.06,-3091.11 ; J2.3@5224.43,-3104.7 ccw(c5223.18,-3098.11) 5229.89,-3098.11 ; J2.3@5226.61,-3104.42 ccw(c5226.12,-3097.45) 5232.87,-3099.26 ccw(c5238.72,-3100.83) J2.3@5236.06,-3106.27 ; J2.3@5228.57,-3124.2 ccw(c5200.04,-3074.28) 5255.58,-3089.16 ; J2.3@5229.89,-3139 5229.89,-3098.11 ; J2.3@5233.54,-3132.88 ccw(c5216.81,-3103.61) 5249.37,-3112.34 ; J2.3@5235.02,-3105.8 cw(c5238.21,-3098.11) 5229.89,-3098.11 ; 5242.37,-3101.15 ccw(c5258.33,-3105.43) J2.3@5244.02,-3113.69 ; J2.3@5226.51,-3123 cw(c5278.45,-3123) 5241.72,-3086.28 ccw(c5278.45,-3123) J2.3@5226.51,-3123 ; J2.3@5236.51,-3123 cw(c5312.59,-3123) 5258.79,-3069.21 ccw(c5312.59,-3123) J2.3@5236.51,-3123 ; J2.3@5246.51,-3123 cw(c5346.73,-3123) 5275.87,-3052.13 ccw(c5346.73,-3123) J2.3@5246.51,-3123
JTDI: J2.4 U5.77 | length 760.1
  Top Layer w10: U5.77@5222.15,-2799.53 5335.53,-2799.53 5376,-2840 5376,-3048.63 5308.63,-3116 J2.4@5308.63,-3139 ; J2.4@5305.26,-3122.86 cw(c5332.21,-3125.57) 5325.2,-3099.4 ; J2.4@5307.02,-3124.32 ccw(c5296.67,-3089.57) 5331.69,-3098.95 ; J2.4@5306.63,-3104.38 ccw(c5306.63,-3071.49) 5329.88,-3094.75 cw(c5306.63,-3071.49) J2.4@5306.63,-3104.38 ; J2.4@5315.25,-3123 cw(c5348.14,-3123) 5324.88,-3099.75 ccw(c5348.14,-3123) J2.4@5315.25,-3123 ; J2.4@5325.25,-3123 cw(c5382.28,-3123) 5341.96,-3082.67 ccw(c5382.28,-3123) J2.4@5325.25,-3123